# Allegro board ultrasound_tnr_1000a_01_20171121.brd (continued)
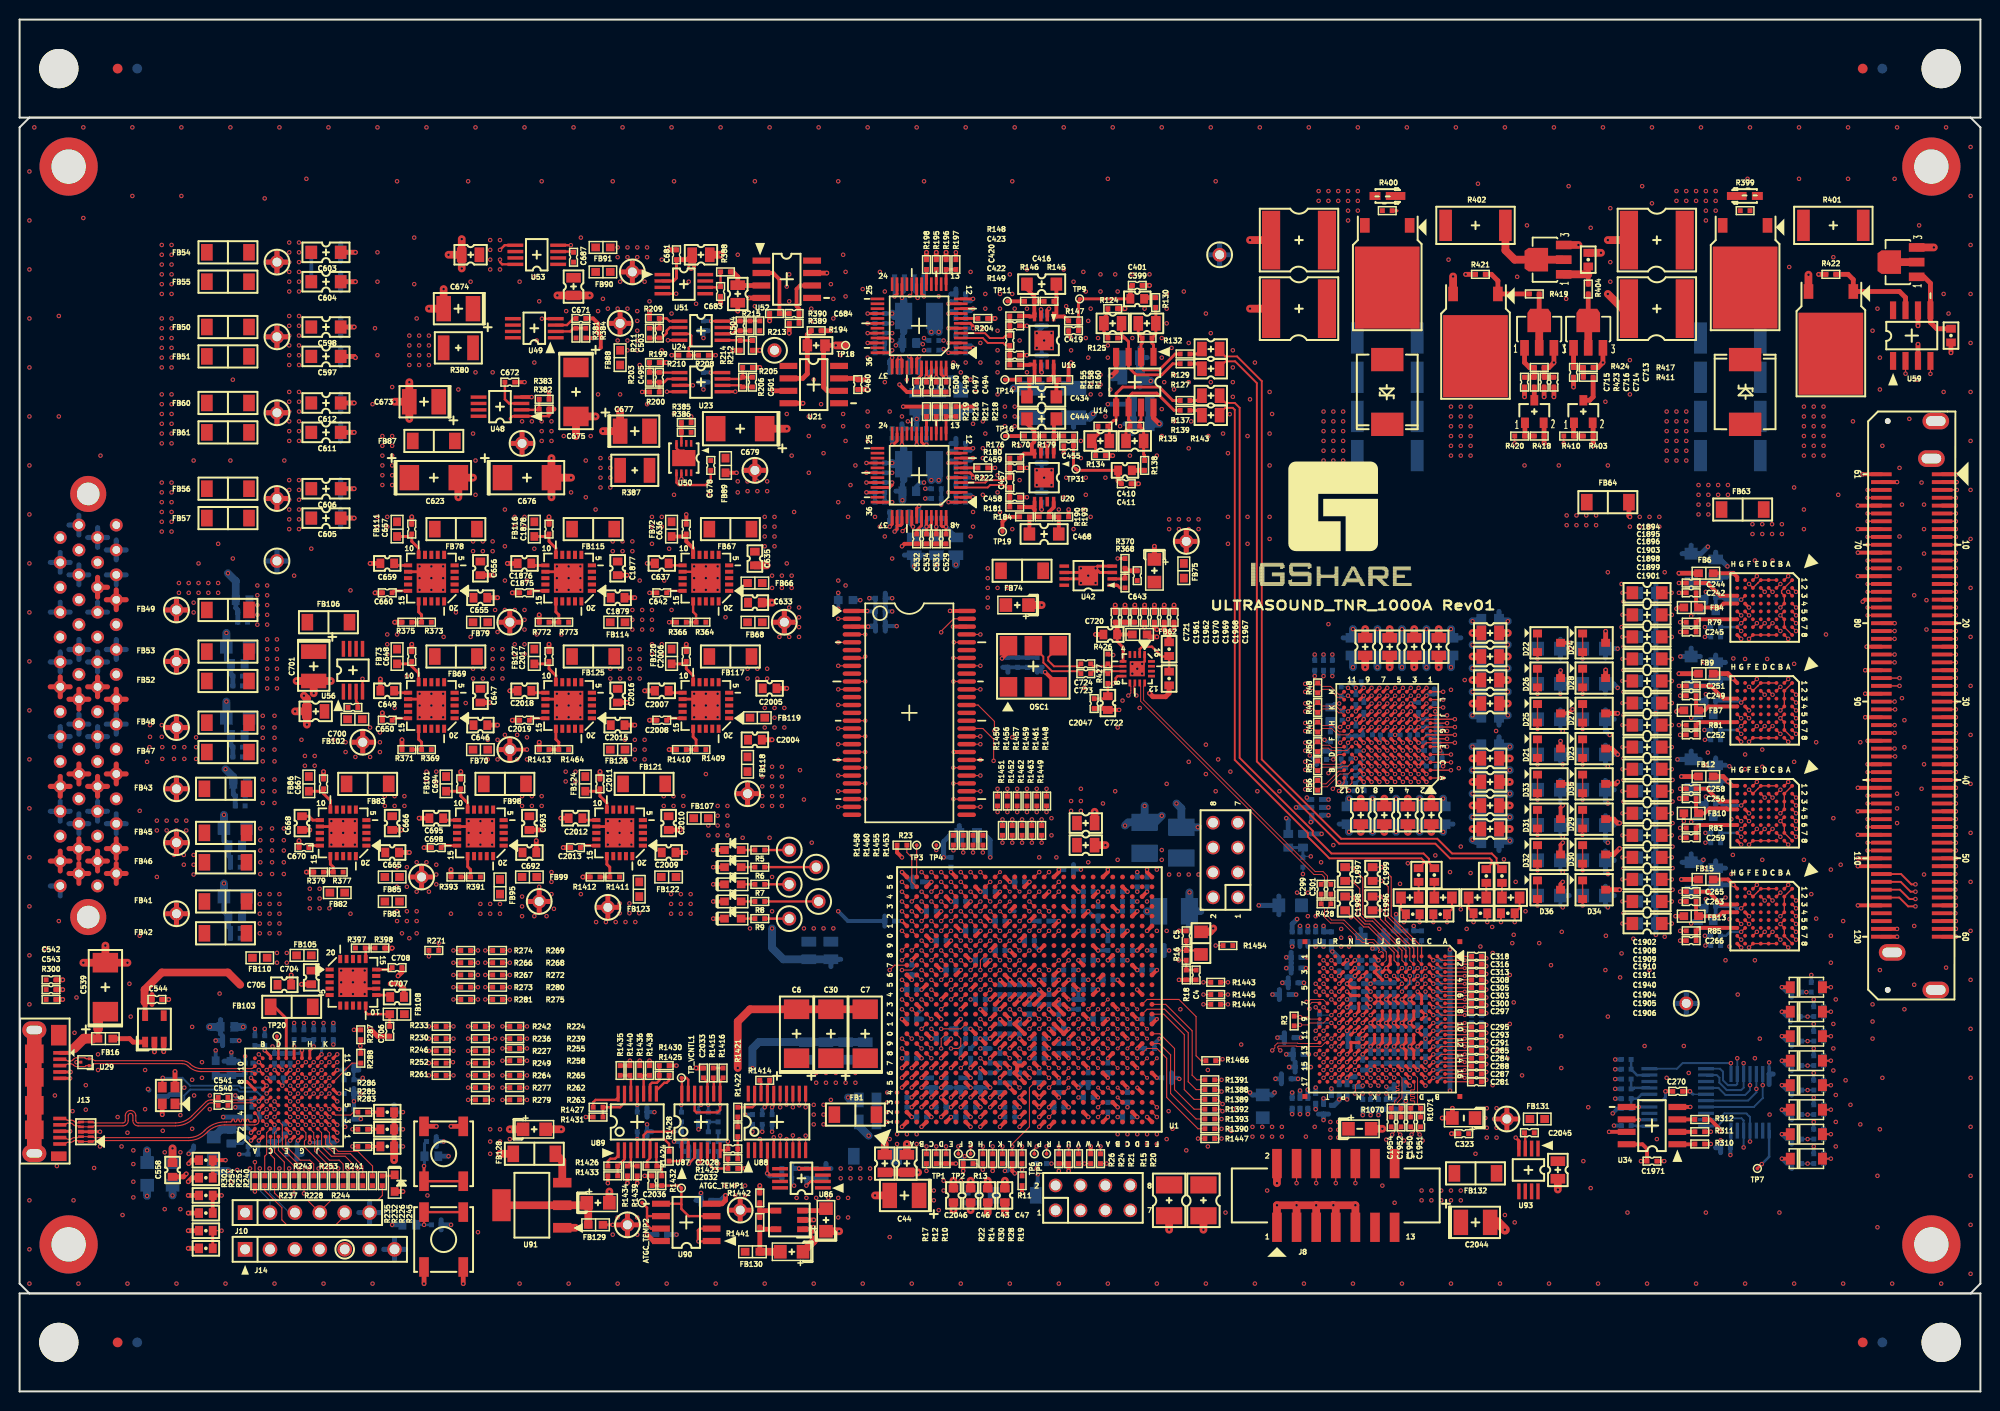
[diagram p0: board, top side]
## Routing (per net, layer and track width the routed paths; a pad name or vN(x,y) marks a point on that pad's centre or on a via; arc(x,y) is an arc through that point) (continued)
  SIG1 w0.13: v1(92,36) 91.5,35.5 89.25,35.5 87,33.25 87,28.75 83,24.75 79.25,24.75 78.88,25.12 v1(78.88,26.12)
ATGC_D7: length 21.9
  TOP w0.115: U88.7 v1(78.22,25.75) ; U1.A8 v1(90,35)
  SIG1 w0.13: v1(90,35) 89.5,35 87.5,33 87.5,28.5 83.25,24.25 78.75,24.25 78.22,24.77 v1(78.22,25.75)
ATGC_LDAC: length 26.9
  TOP w0.115: U1.C9 v1(93,35) ; U88.6 v1(77.58,26.1)
  SIG1 w0.13: v1(93,35) 92.5,34.5 89.75,34.5 88,32.75 88,28.25 83.5,23.75 78.25,23.75 77.58,24.43 v1(77.58,26.1)
ATGC_TEMP: length 10.7
  TOP w0.25: 67.5,19.08 67.42,19.16 U90.5 ; 67.5,19.08 ATGC_TEMP1.1 67.25,21 R1432.2 C2036.1 ; 67.5,19.08 67.5,18.63 68.25,17.88 U90.3
ATGC_WR: length 23.6
  TOP w0.115: U88.15 v1(77.58,29) ; U1.B12 v1(91,39)
  SIG1 w0.13: v1(91,39) 90.5,39.5 82,39.5 77.58,35.08 v1(77.58,29)
AVTT: length 10.6
  TOP w0.4: U1.C2 v1(93,28) ; U1.M3 v1(102,29) ; U1.G2 v1(97,28) ; U1.H3 v1(98,29) ; U1.D3 v1(93,29) ; U1.B3 v1(91,29) ; U1.L2 v1(100,28)
  TOP w0.8: C130.1 v1(90.5,25.25) ; C129.1 v1(88.25,25.25)
  BOTTOM w0.4: v1(93,28) C124.1 ; v1(98,29) C122.1 ; v1(102,29) C123.1 ; v1(91,29) C127.1 ; v1(100,28) C128.1 ; v1(93,29) C126.1 ; v1(97,28) C125.1
  vias: v1(88.75,25.75) v1(89.5,26.25) v1(89.5,25.25) v1(90.5,26.25) v1(91.5,26.25) v1(91.5,25.25)
BA0: length 25.4
  TOP w0.115: U31.20 v1(83.5,64.45) ; U1.G24 v1(96,51)
  SIG1 w0.13: v1(83.5,64.45) 88.23,64.45 89.81,62.88 89.81,60.38 91.56,58.63 91.56,52.18 92.24,51.5 95.5,51.5 v1(96,51)
BA1: length 22
  TOP w0.115: U1.F24 v1(95,51) ; U31.21 v1(86.25,63.65)
  SIG1 w0.13: v1(95,51) 94.5,50.5 91.75,50.5 91.03,51.22 91.03,55.22 90.73,55.52 90.73,58.59 89.18,60.14 89.18,62.53 88.06,63.65 v1(86.25,63.65)
CAP_MGTAVCC: length 7.5
  TOP w0.4: U1.G6 v1(97,32) ; v1(94,32) U1.E6 ; U1.C6 v1(92,32) ; U1.J6 v1(98,33) ; U1.L6 v1(100,32)
  BOTTOM w0.4: v1(97,32) C116.1 ; v1(92,32) C115.1 ; C118.1 v1(100,32) ; v1(98,33) C117.1 ; C119.1 v1(94,32)
  vias: v1(88.5,30.5) v1(88.5,29.5) v1(88.5,28.5) v1(88.5,27.5) v1(89.5,30.5) v1(89.5,29.5) v1(89.5,28.5) v1(89.5,27.5)
CHARGER DETECTOR: length 2.3
  TOP w0.25: TP20.1 26.25,35.79 26.4,35.64 U26.D11
CLK_EN: length 5.7
  TOP w0.25: U60.2 114.25,75.75 114.5,76 115.5,76 116.5,75 117.2,75 R1467.1 R1468.2
CLK_RSV_N0: length 42.7
  TOP w0.095: U1.AA2 v1(110,28)
  SIG1 w0.105: J1.3 124.27,52.1 123.98,51.81 123.56,51.81 123,51.25 123,49.5 121.75,48.25 109.77,48.25 108.79,47.28 108.79,42.95 106.38,40.54 106.38,30.52 107.9,29 109,29 109.62,28.38 109.89,28.38 110,28.27 v1(110,28)
CLK_RSV_N1: length 42.6
  TOP w0.095: U1.R23 v1(105,49)
  SIG3 w0.105: J1.7 124.27,57.14 124.03,56.9 123.54,56.9 123,56.35 123,49 122.25,48.25 120.78,48.25 120.68,48.35 120.68,50.21 120.43,50.46 119.8,50.46 119.55,50.21 119.55,48.35 119.44,48.25 119.02,48.25 118.92,48.35 118.92,50.21 118.67,50.46 118.04,50.46 117.79,50.21 117.79,48.35 117.68,48.25 117.26,48.25 117.16,48.35 117.16,50.21 116.91,50.46 116.28,50.46 116.03,50.21 116.03,48.35 115.92,48.25 107.7,48.25 107.64,48.32 107.64,48.47 107.57,48.54 107.47,48.54 107.4,48.47 107.4,48.32 107.34,48.25 107.1,48.25 106.6,48.75 105.65,48.75 105.4,48.5 104.87,48.5 104.62,48.75 104.62,48.9 104.73,49 v1(105,49)
CLK_RSV_P0: length 42.6
  TOP w0.095: U1.AA3 v1(110,29)
  SIG1 w0.105: J1.1 124.27,51.29 124,51.56 123.67,51.56 123.25,51.15 123.25,49.4 123.05,49.2 123.05,49.1 123.15,49 123.15,48.91 123.08,48.84 122.98,48.84 122.89,48.94 122.79,48.94 122.72,48.87 122.72,48.77 122.82,48.68 122.82,48.58 122.75,48.51 122.66,48.51 122.56,48.61 122.46,48.61 121.86,48 109.87,48 109.04,47.17 109.04,42.85 106.63,40.44 106.63,30.62 108,29.25 109.1,29.25 109.73,28.62 109.89,28.62 110,28.73 v1(110,29)
CLK_RSV_P1: length 42.7
  TOP w0.095: U1.R22 v1(104,49)
  SIG3 w0.105: J1.5 124.27,56.43 124.06,56.65 123.64,56.65 123.25,56.25 123.25,48.9 122.35,48 120.68,48 120.43,48.25 120.43,50.1 120.32,50.21 119.9,50.21 119.8,50.1 119.8,48.25 119.55,48 118.92,48 118.67,48.25 118.67,50.1 118.56,50.21 118.14,50.21 118.04,50.1 118.04,48.25 117.79,48 117.16,48 116.91,48.25 116.91,50.1 116.8,50.21 116.38,50.21 116.28,50.1 116.28,48.25 116.03,48 107,48 106.5,48.5 105.75,48.5 105.5,48.25 104.77,48.25 104.38,48.64 104.38,48.9 104.27,49 v1(104,49)
CVDDQ: length 3.4
  TOP w0.3: U26.B6 v1(24.4,29.6)
  BOTTOM w0.3: v1(24.4,29.6) 24.2,29.8 C562.2 C561.2
  BOTTOM w0.8: FB19.1 v1(13,24.6)
  vias: v1(11.6,24.6) v1(11.6,23.2)
CW_AD_CLK: length 82.9
  TOP w0.115: v1(90.07,87.8) 90.5,88.23 U25.40 ; U22.40 v1(90.5,103.25) ; v1(94,39) U1.E13
  SIG1 w0.13: v1(94,39) U1.E13 94.5,43.25 94.25,43.5 88,43.5 86,45.5 86,55.5 82.5,59 82.5,84.5 84.49,86.49 88.76,86.49 v1(90.07,87.8) 89.6,88.27 89.6,101 90.5,101.9 v1(90.5,103.25)
CW_AD_SYNC: length 91.1
  TOP w0.115: v1(95,40) U1.F14 ; v1(90.8,111.8) 91,112 U22.20 ; v1(90.6,99) 90.75,99 91,98.75 U25.20
  SIG1 w0.13: v1(95,40) U1.F14 95.5,44.25 95.25,44.5 87.75,44.5 86.5,45.75 86.5,55.75 83,59.25 83,84.25 84.61,85.86 88.86,85.86 90.6,87.6 v1(90.6,99) 90.6,100.6 91.2,101.2 91.2,110.8 90.8,111.2 v1(90.8,111.8)
CW_CLKN_1X: length 44.6
  TOP w0.095: U1.AD9 v2(113,35) ; C1952.2 140.55,26.65 140.55,26.48 v1(140.83,26.21)
  SIG3 w0.105: v1(140.83,26.21) 140.53,25.91 140.53,25.56 139.9,24.94 122.06,24.94 120.4,26.6 120.4,31.26 120.03,31.63 119.5,31.63 119.19,31.94 119.19,32.51 120.1,33.42 120.1,34.77 119.72,35.15 118.49,35.15 118.03,34.7 118.03,33.5 117.78,33.25 117.16,33.25 116.9,33.5 116.9,35.25 116.8,35.36 112.73,35.36 112.62,35.25 112.62,35.11 112.73,35 v2(113,35)
CW_CLKN_16X: length 43.5
  TOP w0.095: U1.AC11 v2(113,37) ; v1(141.98,26.22) 142.25,26.49 142.25,26.65 C1950.2
  SIG3 w0.105: v2(113,37) 112.73,37 112.62,36.89 112.62,36.64 112.34,36.36 111.78,36.36 111.63,36.21 111.63,34.7 112.71,33.62 115.28,33.62 119.2,29.7 119.2,25.99 120.94,24.25 140.9,24.25 142.28,25.63 142.28,25.92 v1(141.98,26.22)
CW_CLKP_1X: length 44.5
  TOP w0.095: U1.AC9 v2(112,35) ; v1(140,26.21) 140.02,26.22 140.02,26.24 140.23,26.45 140.23,26.67 C1954.2
  SIG3 w0.105: v1(140,26.21) 140.28,25.93 140.28,25.66 139.8,25.19 122.16,25.19 120.65,26.7 120.65,31.36 120.13,31.88 119.6,31.88 119.44,32.04 119.44,32.4 120.35,33.31 120.35,34.87 119.82,35.4 118.39,35.4 117.78,34.8 117.78,33.61 117.68,33.5 117.26,33.5 117.15,33.61 117.15,35.36 116.9,35.61 112.63,35.61 112.38,35.36 112.38,35.11 112.27,35 v2(112,35)
CW_CLKP_16X: length 44.7
  TOP w0.095: v1(142.8,26.22) 142.55,26.47 142.55,26.65 C1951.2 ; U1.AB11 v2(112,37)
  SIG3 w0.105: v1(142.8,26.22) 142.53,25.95 142.53,25.53 142.35,25.35 142.35,25.25 142.45,25.15 142.45,25.06 142.38,24.99 142.28,24.99 142.18,25.09 142.09,25.09 141,24 120.84,24 118.95,25.89 118.95,29.6 115.18,33.37 112.61,33.37 111.38,34.6 111.38,36.31 111.68,36.61 112.24,36.61 112.38,36.75 112.38,36.89 112.27,37 v2(112,37)
CW_I_ADINN: length 7.3
  TOP w0.2: C420.2 100.58,106.75 100.33,107 98.75,107 98.25,107.5 U22.4
  TOP w0.4: R149.2 C422.1 C420.2
CW_I_ADINP: length 7.3
  TOP w0.2: C420.1 100.58,107.75 100.33,107.5 98.96,107.5 98.46,108 U22.5
  TOP w0.4: C420.1 C423.1 R148.2
CW_I_DATA: length 79.9
  TOP w0.115: v1(92,40) U1.C13
  TOP w0.25: U22.30 v1(86.5,109)
  SIG1 w0.13: v1(86.5,109) 85.5,108 85.5,96.5 81,92 81,58.25 84.5,54.75 84.5,44.75 88.75,40.5 91.5,40.5 v1(92,40)
  BOTTOM w0.25: v1(86.5,109) R201.2
CW_I_FSO: length 79.5
  TOP w0.115: v1(93,40) U1.C14
  TOP w0.25: U22.32 v1(86.5,108)
  SIG1 w0.13: v1(86.5,108) 86,107.5 86,96 81.5,91.5 81.5,58.5 85,55 85,45 88.5,41.5 92.25,41.5 92.5,41.25 U1.C14 v1(93,40)
  BOTTOM w0.25: v1(86.5,108) R202.2
CW_I_SCLK: length 79.8
  TOP w0.115: v1(90,40) U1.A13
  TOP w0.25: U22.28 v1(86.5,110)
  SIG1 w0.13: v1(90,40) 88.5,40 84,44.5 84,54.5 80.5,58 80.5,92.25 85,96.75 85,108.5 v1(86.5,110)
  BOTTOM w0.25: R207.2 v1(86.5,110)
CW_IP_OUTM: length 73.8
  TOP w0.2: R1400.2 150.65,53.85 150.65,54.41 150.16,54.9 146.11,54.9 144.61,56.4 134.8,56.4 126.7,64.5 126.7,103.11 124.18,105.62 122.97,105.62 122.4,106.2 C400.1
CW_IP_OUTP: length 73
  TOP w0.2: C398.1 122.4,104.5 123.03,105.12 123.98,105.12 126.2,102.9 126.2,64.29 134.59,55.9 144.4,55.9 145.9,54.4 149.95,54.4 150.15,54.2 150.15,53.85 R1399.2
CW_PWR_CTRL0: length 153.8
  TOP w0.115: U59.2 v1(192.37,103.86) ; U1.G14 v1(96,40)
  SIG3 w0.13: v1(96,40) 96.5,39.5 96.5,36.75 96.75,36.5 102.25,36.5 102.5,36.75 102.5,38.75 104.5,40.75 104.5,42 105,42.5 116.75,42.5 117.25,43 119,43 119.5,43.5 122.2,43.5 127.7,49 127.7,84.21 131.49,88 149.79,88 155.29,93.5 184.54,93.5 187.75,96.71 187.75,98.71 191.04,102 191.75,102 192.37,102.61 v1(192.37,103.86)
CW_PWR_CTRL1: length 163.1
  TOP w0.115: U1.J14 v1(99,41) ; U59.4 v1(194.91,103.84)
  SIG3 w0.13: v1(99,41) U1.J14 95.75,40.5 95.5,40.25 95.5,36 96,35.5 103.25,35.5 103.5,35.75 103.5,39.25 103.75,39.5 105.25,39.5 105.5,39.75 105.5,41.25 105.75,41.5 113.25,41.5 113.75,42 117,42 117.5,42.5 119.25,42.5 119.75,43 122.3,43 128.1,48.8 128.1,83.9 131.7,87.5 150,87.5 155.5,93 184.75,93 188.25,96.5 188.25,98.5 191.25,101.5 193.25,101.5 194.91,103.16 v1(194.91,103.84)
CW_PWR_CTRL2: length 107
  TOP w0.115: R420.2 v1(152.5,96.75) ; U1.H11 v1(98,37)
  SIG3 w0.13: v1(152.5,96.75) 152.5,91.5 149.5,88.5 131.25,88.5 127.2,84.45 127.2,49.1 122,43.9 119.2,43.9 118.8,43.5 103.63,43.5 103.5,43.37 103.5,41.5 102.5,40.5 101.75,40.5 101.5,40.25 101.5,37.75 101.25,37.5 98.5,37.5 v1(98,37)
CW_PWR_CTRL3: length 112.3
  TOP w0.115: U1.J11 v1(98,38) ; R410.2 v1(157.5,96.75)
  SIG3 w0.13: v1(157.5,96.75) 156.88,96.12 154.75,96.12 153.5,97.38 152.12,97.38 151.75,97 151.75,91.5 149.25,89 131,89 126.8,84.8 126.8,49.3 122,44.5 103.75,44.5 102.5,43.25 102.5,41.63 102.37,41.5 101.5,41.5 100.5,40.5 100.5,38.75 100.25,38.5 98.5,38.5 v1(98,38)
CW_Q_ADINN: length 7.2
  TOP w0.2: U25.4 98.75,92.25 99,92.5 100.33,92.5 100.58,92.25 C457.2
  TOP w0.4: C457.2 C458.1 R181.2
CW_Q_ADINP: length 7.2
  TOP w0.2: C457.1 100.58,93.25 100.33,93 98.75,93 98.5,92.75 U25.5
  TOP w0.4: R180.2 C459.1 C457.1
CW_Q_DATA: length 66.1
  TOP w0.115: v1(93,41) U1.D14
  TOP w0.25: v1(86.38,93.75) U25.30
  SIG1 w0.13: v1(86.38,93.75) 84.75,93.75 82,91 82,58.75 85.5,55.25 85.5,45.25 88.25,42.5 93.25,42.5 93.5,42.25 93.5,41.5 v1(93,41)
  BOTTOM w0.25: R220.2 v1(86.38,93.75)
CW_Q_FSO: length 2
  TOP w0.25: U25.32 v1(86.38,92.75)
  BOTTOM w0.25: v1(86.38,92.75) R221.2
CW_Q_SCLK: length 2
  TOP w0.25: U25.28 v1(86.38,94.75)
  BOTTOM w0.25: v1(86.38,94.75) R223.2
CW_QP_OUTM: length 62.5
  TOP w0.2: R1404.2 143.25,53.95 143.25,54.14 142.99,54.4 133.6,54.4 131.4,56.6 131.4,56.99 123.95,64.45 123.95,100.17 123.75,100.38 122.97,100.38 122.4,99.8 C409.1
CW_QP_OUTP: length 63.3
  TOP w0.2: C408.1 122.4,101.5 123.03,100.88 123.95,100.88 124.45,100.38 124.45,64.65 131.9,57.2 131.9,56.81 133.81,54.9 143.2,54.9 143.75,54.35 143.75,53.95 R1402.2
DCLKN: length 32
  TOP w0.095: U1.AB9 v2(111,36) ; U11.U9 131.6,38 131.4,38.2 v1(130.6,38.2) 130.5,38.3 R3.2
  SIG3 w0.105: v2(111,36) 111,35.73 110.89,35.62 110.75,35.62 110.64,35.73 110.64,37.15 110.86,37.37 119.45,37.37 121.29,35.53 122.49,35.53 123.35,36.39 125.64,36.39 127.19,37.94 127.29,37.94 127.36,37.86 127.46,37.86 127.53,37.93 127.53,38.03 127.45,38.1 127.45,38.2 127.52,38.27 127.61,38.27 127.69,38.19 127.79,38.19 127.86,38.26 127.86,38.35 127.78,38.43 127.78,38.53 128,38.75 128.32,38.75 128.38,38.68 128.38,38.5 128.45,38.43 128.55,38.43 128.62,38.5 128.62,38.68 128.68,38.75 128.78,38.75 128.85,38.68 128.85,38.5 128.92,38.43 129.01,38.43 129.08,38.5 129.08,38.68 129.15,38.75 129.24,38.75 129.31,38.68 129.31,38.5 129.38,38.43 129.48,38.43 129.54,38.5 129.54,38.68 129.61,38.75 129.71,38.75 129.78,38.68 129.78,38.5 129.84,38.43 129.94,38.43 130.01,38.5 130.01,38.68 130.08,38.75 130.65,38.75 131.13,38.27 131.13,38.03 131.02,37.92 130.88,37.92 v1(130.6,38.2)
DCLKP: length 32
  TOP w0.095: U1.AA9 v2(111,35) ; U11.T9 133,37.6 131.6,37.6 131.4,37.4 v1(130.6,37.4) 130.5,37.3 R3.1
  SIG3 w0.105: v2(111,35) 111,35.27 110.89,35.38 110.64,35.38 110.39,35.63 110.39,37.26 110.76,37.62 119.55,37.62 121.39,35.78 122.39,35.78 123.25,36.64 125.54,36.64 127.9,39 130.75,39 131.38,38.37 131.38,37.93 131.13,37.67 130.88,37.67 v1(130.6,37.4)
DEVID3: length 2.3
  TOP w0.115: v1(135.5,66.2) U3.F11
  BOTTOM w0.115: R1465.2 R61.1 135.4,66 135.5,66.1 v1(135.5,66.2)
DM: length 20.5
  TOP w0.118: U26.A10 23.83,33.03 arc(23.73,32.96) 23.62,32.94 18.54,32.94 arc(17.93,33.06) 17.42,33.4 arc(17.04,33.66) 16.58,33.75 7.75,33.75 arc(7.61,33.78) 7.5,33.85 7.46,33.89 arc(7.4,33.93) 7.32,33.95 U29.2 6.8,33.95 arc(6.76,33.96) 6.74,33.97 6.69,34.02 arc(6.66,34.04) 6.62,34.05 5.8,34.05 arc(5.66,34.02) 5.54,33.94 5.41,33.81 arc(5.32,33.75) 5.21,33.73 4.95,33.73 arc(4.84,33.75) 4.75,33.81 4.66,33.9 J13.2
DP: length 20.4
  TOP w0.118: U26.A9 23.86,32.54 arc(23.75,32.61) 23.62,32.64 18.54,32.64 arc(17.82,32.78) 17.21,33.19 arc(16.92,33.38) 16.58,33.45 7.7,33.45 arc(7.61,33.43) 7.54,33.38 7.47,33.31 arc(7.4,33.27) 7.31,33.25 U29.1 6.82,33.25 arc(6.78,33.24) 6.75,33.22 6.72,33.19 arc(6.68,33.16) 6.62,33.15 5.81,33.15 arc(5.66,33.18) 5.54,33.26 5.47,33.33 arc(5.36,33.4) 5.24,33.42 4.97,33.42 arc(4.83,33.4) 4.71,33.32 4.64,33.25 J13.3
DQ0: length 53.1
  TOP w0.115: v1(92,43) U1.C16 ; R224.1 v1(51.75,37.25)
  SIG4 w0.13: v1(51.75,37.25) 51.75,38.1 53.2,39.55 53.2,39.73 52.68,40.25 52.68,40.43 52.87,40.62 53.05,40.62 53.57,40.1 53.75,40.1 53.93,40.28 53.93,40.47 53.42,40.98 53.42,41.17 53.6,41.35 53.79,41.35 54.3,40.84 54.49,40.84 54.67,41.02 54.67,41.2 54.15,41.72 54.15,41.9 54.34,42.09 54.52,42.09 55.04,41.57 55.22,41.57 55.41,41.75 55.41,41.94 54.89,42.45 54.89,42.64 55.07,42.82 55.26,42.82 55.77,42.31 55.96,42.31 56.14,42.49 56.14,42.67 55.62,43.19 55.62,43.37 55.81,43.56 55.99,43.56 56.19,43.36 57.01,43.36 57.15,43.5 91.5,43.5 v1(92,43)
DQ1: length 53.5
  TOP w0.115: R227.1 v1(48.25,34.75) ; v1(92,42) U1.B16
  SIG4 w0.13: v1(48.25,34.75) 48.55,34.45 55.97,34.45 58.86,37.34 58.86,37.52 58.33,38.05 58.33,38.23 58.52,38.42 58.7,38.42 59.23,37.89 59.41,37.89 59.6,38.08 59.6,38.26 59.07,38.79 59.07,38.97 59.25,39.15 59.44,39.15 59.96,38.63 60.15,38.63 60.33,38.81 60.33,39 59.81,39.52 59.81,39.71 59.99,39.89 60.17,39.89 60.61,39.45 60.97,39.45 61.02,39.5 87.75,39.5 89.75,41.5 91.5,41.5 v1(92,42)
DQ2: length 58.3
  TOP w0.115: R230.1 v1(44.25,36) ; v1(90,44) U1.A18
  SIG4 w0.13: v1(90,44) 89.25,44 88.95,44.3 55.49,44.3 55.02,43.83 54.35,43.83 54.17,44 53.99,44 53.81,43.82 53.81,43.63 54.22,43.22 54.22,43.03 54.04,42.85 53.86,42.85 53.44,43.27 53.26,43.27 53.07,43.08 53.07,42.9 53.49,42.48 53.49,42.3 53.3,42.11 53.12,42.11 52.7,42.53 52.52,42.53 52.34,42.35 52.34,42.16 52.75,41.75 52.75,41.56 52.21,41.02 52.21,40.08 50.96,38.83 50.96,38.09 50.58,37.71 50.58,37.53 51.44,36.68 51.44,36.5 51.25,36.31 51.07,36.31 50.23,37.15 50.02,37.15 49.49,36.62 44.87,36.62 v1(44.25,36)
DQ3: length 62
  TOP w0.115: U1.A19 v1(90,45) ; R233.1 v1(44.25,37.25)
  SIG4 w0.13: v1(44.25,37.25) 44.83,37.83 45.72,37.83 45.85,37.96 45.85,38.58 45.98,38.71 46.24,38.71 46.37,38.58 46.37,37.96 46.5,37.83 46.76,37.83 46.89,37.96 46.89,38.58 47.02,38.71 47.28,38.71 47.41,38.58 47.41,37.96 47.54,37.83 47.8,37.83 47.93,37.96 47.93,38.58 48.06,38.71 48.32,38.71 48.45,38.58 48.45,37.96 48.58,37.83 48.85,37.83 49.33,38.31 49.33,38.53 48.86,38.99 48.86,39.17 49.05,39.36 49.23,39.36 49.71,38.88 49.9,38.88 50.79,39.77 50.79,39.95 50.5,40.24 50.5,40.42 50.68,40.6 50.87,40.6 51.15,40.32 51.34,40.32 51.55,40.53 51.55,41.6 51.42,41.73 50.95,41.73 50.82,41.86 50.82,42.12 50.95,42.25 51.42,42.25 51.55,42.38 51.55,42.64 52.62,43.71 52.62,43.89 51.89,44.62 51.89,44.81 52.07,44.99 52.25,44.99 52.97,44.27 53.18,44.27 53.91,45 v1(90,45)
DQ4: length 57.9
  TOP w0.115: U1.B17 91,43 v1(90,43) ; R236.1 v1(48.5,36)
  SIG4 w0.13: v1(90,43) 89.5,43 88,41.5 58.22,41.5 56.35,39.63 56.35,39.44 57.04,38.75 57.04,38.57 56.85,38.38 56.67,38.38 55.98,39.07 55.79,39.07 55.61,38.89 55.61,38.71 56.3,38.02 56.3,37.83 56.12,37.65 55.93,37.65 55.24,38.34 55.06,38.34 54.87,38.15 54.87,37.97 55.57,37.28 55.57,37.1 55.38,36.91 55.2,36.91 54.51,37.6 54.32,37.6 54.14,37.42 54.14,37.24 54.83,36.54 54.83,36.36 54.65,36.18 54.46,36.18 53.77,36.87 53.53,36.87 53.4,36.74 53.4,36.5 54.1,35.81 54.1,35.59 53.96,35.45 53.72,35.45 53.67,35.5 49,35.5 v1(48.5,36)
DQ5: length 53.3
  TOP w0.115: R239.1 v1(51.75,36) ; U1.A17 89.25,43.5 v1(88.75,43)
  SIG4 w0.13: v1(88.75,43) 88.25,42.5 58.25,42.5 57.76,42.01 57.18,42.01 56.82,42.37 56.63,42.37 56.45,42.19 56.45,42 57.01,41.44 57.01,41.26 56.83,41.08 56.64,41.08 56.08,41.64 55.9,41.64 55.71,41.45 55.71,41.27 56.27,40.71 56.27,40.52 56.09,40.34 55.91,40.34 55.35,40.9 55.16,40.9 54.98,40.72 54.98,40.53 55.54,39.97 55.54,39.79 55.36,39.61 55.17,39.61 54.61,40.17 54.43,40.17 54.24,39.98 54.24,39.8 54.8,39.24 54.8,39.05 54.62,38.87 54.44,38.87 53.87,39.43 53.69,39.43 53.51,39.25 53.51,39.06 54.07,38.5 54.07,38.32 53.88,38.13 53.7,38.13 53.14,38.7 52.96,38.7 52.77,38.51 52.77,38.33 53.33,37.77 53.33,37.58 v1(51.75,36)
DQ6: length 58.3
  TOP w0.115: v1(92,46) U1.C19 ; R242.1 v1(48.25,37.25)
  SIG3 w0.13: v1(48.25,37.25) 48.78,36.72 49.72,36.72 51.59,38.59 51.59,38.77 50.87,39.49 50.87,39.68 51.05,39.86 51.23,39.86 51.96,39.14 52.14,39.14 52.32,39.32 52.32,39.51 51.6,40.23 51.6,40.41 51.79,40.6 51.97,40.6 52.69,39.87 52.87,39.87 53.06,40.06 53.06,40.24 52.34,40.96 52.34,41.15 52.52,41.33 52.71,41.33 53.36,40.68 53.68,40.68 54.25,41.25 54.25,41.43 53.92,41.76 53.92,41.94 54.11,42.13 54.29,42.13 54.62,41.8 54.8,41.8 54.98,41.98 54.98,42.17 54.66,42.49 54.66,42.68 54.84,42.86 55.02,42.86 55.35,42.53 55.53,42.53 58.5,45.5 91.5,45.5 v1(92,46)
DQ7: length 62.7
  TOP w0.115: v1(91,45) U1.B19 ; R246.1 v1(44.25,34.75)
  SIG3 w0.13: v1(44.25,34.75) 44.67,34.75 45.42,35.5 52.5,35.5 53.33,36.33 53.33,36.52 52.71,37.14 52.71,37.33 52.89,37.51 53.08,37.51 53.7,36.89 53.89,36.89 54.07,37.07 54.07,37.25 53.44,37.88 53.44,38.06 53.63,38.25 53.81,38.25 54.44,37.62 54.62,37.62 54.81,37.81 54.81,37.99 54.18,38.62 54.18,38.8 54.36,38.98 54.55,38.98 55.17,38.36 55.36,38.36 55.54,38.54 55.54,38.72 54.78,39.49 54.78,40.06 55.19,40.47 55.37,40.47 55.7,40.14 55.88,40.14 56.07,40.33 56.07,40.51 55.74,40.84 55.74,41.02 55.92,41.2 56.11,41.2 56.43,40.88 56.62,40.88 56.8,41.06 56.8,41.24 56.47,41.57 56.47,41.75 59.22,44.5 90.5,44.5 v1(91,45)
DQ8: length 60.4
  TOP w0.115: R249.1 v1(48.25,33.5) ; v1(92,44) U1.C17
  SIG3 w0.13: v1(92,44) 91.5,43.5 61.66,43.5 61.33,43.17 61.15,43.17 60.26,44.06 60.08,44.06 59.9,43.88 59.9,43.69 60.78,42.8 60.78,42.62 60.6,42.44 60.41,42.44 59.53,43.32 59.34,43.32 59.16,43.14 59.16,42.96 60.05,42.07 60.05,41.89 59.86,41.7 59.68,41.7 58.79,42.59 58.61,42.59 58.42,42.4 58.42,42.22 59.31,41.33 59.31,41.15 59.13,40.97 58.94,40.97 58.06,41.85 57.87,41.85 57.69,41.67 57.69,41.48 58.58,40.6 58.58,40.41 52.66,34.5 49.25,34.5 v1(48.25,33.5)
DQ9: length 64.5
  TOP w0.115: v1(44.2,33.6) 43.6,33.6 R252.1 ; v1(92,45) U1.C18
  SIG3 w0.13: v1(44.2,33.6) 44.8,33 54.14,33 54.76,33.62 54.76,33.94 54.31,34.39 54.31,34.57 54.5,34.76 54.68,34.76 55.13,34.31 55.31,34.31 55.5,34.5 55.5,34.68 55.05,35.13 55.05,35.31 55.23,35.49 55.42,35.49 55.86,35.05 56.05,35.05 56.23,35.23 56.23,35.42 55.79,35.86 55.79,36.05 55.97,36.23 56.15,36.23 56.6,35.78 56.78,35.78 56.97,35.97 56.97,36.15 56.52,36.6 56.52,37.08 56.97,37.53 57.16,37.53 57.48,37.21 57.66,37.21 57.84,37.39 57.84,37.58 57.52,37.9 57.52,38.08 57.71,38.27 57.89,38.27 58.21,37.95 58.4,37.95 58.58,38.13 58.58,38.31 58.27,38.62 58.27,38.83 61.94,42.5 92.25,42.5 92.5,42.75 U1.C18 v1(92,45)
DQ10: length 57.8
  TOP w0.115: U1.D15 v1(93,42) ; R255.1 v1(51.75,35)
  SIG4 w0.13: v1(93,42) 92.5,42.5 89.75,42.5 87.75,40.5 59.66,40.5 59.22,40.06 59.04,40.06 58.3,40.8 58.11,40.8 57.93,40.62 57.93,40.43 58.67,39.69 58.67,39.51 58.49,39.33 58.3,39.33 57.56,40.07 57.38,40.07 57.19,39.88 57.19,39.7 57.93,38.96 57.93,38.77 57.42,38.26 57.42,38.08 57.99,37.51 57.99,37.32 57.81,37.14 57.62,37.14 57.05,37.71 56.87,37.71 56.69,37.52 56.69,37.34 57.26,36.77 57.26,36.59 57.07,36.4 56.89,36.4 56.32,36.97 56.13,36.97 55.95,36.79 55.95,36.61 56.52,36.03 56.52,35.85 56.34,35.67 56.15,35.67 55.58,36.24 55.4,36.24 55.21,36.05 55.21,35.87 55.79,35.3 55.79,35.12 55.6,34.93 55.42,34.93 55.06,35.29 54.45,35.29 54.16,35 v1(51.75,35)
DQ11: length 58.8
  TOP w0.115: R258.1 v1(51.75,33.75) ; U1.D16 v1(93,43)
  SIG4 w0.13: v1(93,43) U1.D16 93.5,41.75 93.25,41.5 92.75,41.5 92.5,41.25 92.5,40.75 92.25,40.5 89.75,40.5 87.75,38.5 60.97,38.5 60.69,38.22 60.69,38.04 61.24,37.49 61.24,37.3 61.06,37.12 60.87,37.12 60.32,37.67 60.14,37.67 59.96,37.49 59.96,37.3 60.51,36.75 60.51,36.57 60.32,36.38 60.14,36.38 59.59,36.93 59.4,36.93 59.22,36.75 59.22,36.57 59.77,36.02 59.77,35.83 59.59,35.65 59.4,35.65 58.85,36.2 58.67,36.2 58.48,36.01 58.48,35.83 59.04,35.28 59.04,35.1 58.85,34.91 58.67,34.91 58.12,35.46 57.93,35.46 57.75,35.28 57.75,35.1 58.3,34.54 58.3,34.36 58.12,34.18 57.93,34.18 57.38,34.73 57.2,34.73 57.01,34.54 57.01,34.36 57.56,33.81 57.56,33.63 57.38,33.44 57.2,33.44 56.82,33.82 56.29,33.82 56.22,33.75 v1(51.75,33.75)
DQ12: length 65.4
  TOP w0.115: R261.1 v1(44.25,32.25) ; v1(97,42) U1.H16
  SIG4 w0.13: v1(44.25,32.25) 45,33 52.61,33 52.74,32.87 52.74,32.24 52.87,32.11 53.13,32.11 53.26,32.24 53.26,32.87 53.39,33 53.65,33 53.78,32.87 53.78,32.24 53.91,32.11 54.17,32.11 54.3,32.24 54.3,32.87 54.43,33 54.69,33 54.82,32.87 54.82,32.24 54.95,32.11 55.21,32.11 55.34,32.24 55.34,32.87 55.47,33 55.73,33 55.86,32.87 55.86,32.24 55.99,32.11 56.25,32.11 56.38,32.24 56.38,32.78 56.6,33 57.6,33 62.1,37.5 87.75,37.5 89.75,39.5 93.25,39.5 93.5,39.75 93.5,40.5 94.5,41.5 94.5,42.25 94.75,42.5 96.5,42.5 v1(97,42)
DQ13: length 56.8
  TOP w0.115: v1(96,42) U1.G16 ; R262.1 v1(51.75,31)
  SIG4 w0.13: v1(96,42) 95.5,41.5 95.5,38.5 94.5,37.5 91.75,37.5 90.75,36.5 89.75,36.5 88.75,35.5 62.04,35.5 56.66,30.12 56.66,30.03 56.53,29.9 56.27,29.9 56.14,30.03 56.14,30.35 56.01,30.48 55.75,30.48 55.62,30.35 55.62,29.85 55.49,29.72 55.23,29.72 55.1,29.85 55.1,30.35 54.97,30.48 54.71,30.48 54.58,30.35 54.58,29.85 54.45,29.72 54.19,29.72 54.06,29.85 54.06,30.35 53.93,30.48 53.67,30.48 53.54,30.35 53.54,29.85 53.41,29.72 53.15,29.72 53.02,29.85 53.02,30.35 52.89,30.48 52.27,30.48 v1(51.75,31)
DQ14: length 55.8
  TOP w0.115: R263.1 v1(51.75,29.75) ; v1(96,41) U1.G15
  SIG4 w0.13: v1(96,41) 96.5,40.5 96.5,36.75 95.25,35.5 89.75,35.5 88.75,34.5 61.99,34.5 56.8,29.31 55.67,29.31 55.54,29.18 55.54,28.96 55.41,28.83 55.15,28.83 55.02,28.96 55.02,29.18 54.89,29.31 54.63,29.31 54.5,29.18 54.5,28.96 54.37,28.83 54.11,28.83 53.98,28.96 53.98,29.18 53.85,29.31 53.59,29.31 53.46,29.18 53.46,28.91 53.33,28.78 52.9,28.78 51.93,29.75 v1(51.75,29.75)
DQ15: length 57.4
  TOP w0.115: U1.F15 v1(95,41) ; v1(48.25,32.25) R264.1
  SIG4 w0.13: v1(95,41) 94.5,40.5 94.5,38.75 94.19,38.44 91.44,38.44 90.5,37.5 89.25,37.5 88.25,36.5 62.13,36.5 57.23,31.6 56.72,31.6 56.59,31.47 56.59,31.05 56.46,30.92 56.2,30.92 56.07,31.05 56.07,31.47 55.94,31.6 55.68,31.6 55.55,31.47 55.55,31.05 55.42,30.92 55.16,30.92 55.03,31.05 55.03,31.47 54.9,31.6 54.64,31.6 54.51,31.47 54.51,31.05 54.38,30.92 54.12,30.92 53.99,31.05 53.99,31.47 53.84,31.62 53.62,31.62 53.47,31.47 53.47,31.05 53.34,30.92 53.08,30.92 52.4,31.6 48.9,31.6 v1(48.25,32.25)
FCLKN: length 32
  TOP w0.095: U11.R8 v1(133.8,38.4) ; U1.AB10 v2(112,36)
  SIG4 w0.105: v2(112,36) 111.73,36 111.62,35.89 111.62,35.73 111.73,35.63 116.18,35.63 116.51,35.3 116.51,34.96 116.69,34.78 116.95,34.78 117.14,34.96 117.14,35.3 117.47,35.63 117.83,35.63 120.28,38.08 127.45,38.08 127.85,37.68 127.85,37.06 128.04,36.88 128.59,36.88 128.7,36.98 128.7,37.69 128.95,37.94 129.8,37.94 130.05,37.69 130.05,37.11 130.41,36.75 131,36.75 131.18,36.93 131.18,37.02 131.04,37.16 131.04,37.26 131.1,37.32 131.2,37.32 131.34,37.19 131.44,37.19 131.5,37.25 131.5,37.35 131.36,37.49 131.36,37.58 131.43,37.65 131.53,37.65 131.67,37.51 131.76,37.51 131.92,37.67 132.15,37.67 132.22,37.74 132.22,37.85 132.29,37.92 132.38,37.92 132.45,37.85 132.45,37.74 132.52,37.67 132.8,37.67 133.25,38.12 133.53,38.12 v1(133.8,38.4)
  BOTTOM w0.095: R429.2 132.7,38.4 v1(133.8,38.4)
FCLKP: length 31.9
  TOP w0.095: U11.R10 v1(133.8,37.6) ; U1.AA10 v2(111,37)
  SIG4 w0.105: v1(133.8,37.6) 133.53,37.88 133.36,37.88 132.9,37.42 132.02,37.42 131.1,36.5 130.31,36.5 129.8,37.01 129.8,37.59 129.69,37.69 129.06,37.69 128.95,37.59 128.95,36.88 128.7,36.63 127.93,36.63 127.6,36.96 127.6,37.58 127.35,37.83 120.38,37.83 117.93,35.38 117.57,35.38 117.39,35.2 117.39,34.86 117.06,34.53 116.59,34.53 116.26,34.86 116.26,35.2 116.07,35.38 111.63,35.38 111.38,35.63 111.38,36.62 v2(111,37)
  BOTTOM w0.095: R429.1 132.7,37.6 v1(133.8,37.6)
FHVN: length 9
  TOP w0.5: FB6.2 v1(169.25,83.5) ; v1(164.25,89.25) 164.15,89.35 FB64.2 ; FB15.2 v1(169.5,52.25) ; FB12.2 v1(169.5,62.75) ; FB9.2 v1(169.25,73.25)
  vias: v1(164.25,88.25) v1(165.25,89.25) v1(165.25,88.25) v1(166.25,89.25) v1(166.25,88.25) v1(167.25,89.25) v1(167.25,88.25)
FLAGA: length 61.5
  TOP w0.115: R271.1 v1(42.75,45.75) ; U1.F20 v1(96,46)
  SIG2 w0.13: v1(42.75,45.75) 44.25,47.25 61.16,47.25 61.29,47.12 61.29,46.7 61.42,46.57 61.68,46.57 61.81,46.7 61.81,47.12 61.94,47.25 62.2,47.25 62.33,47.12 62.33,46.7 62.46,46.57 62.72,46.57 62.85,46.7 62.85,47.12 62.98,47.25 63.24,47.25 63.37,47.12 63.37,46.7 63.5,46.57 63.76,46.57 63.89,46.7 63.89,47.12 64.02,47.25 64.5,47.25 65.25,46.5 87.5,46.5 89.5,48.5 93.25,48.5 93.5,48.25 93.5,46.75 93.75,46.5 U1.F20 v1(96,46)
